# Altium PCB DAW500LCB.PcbDoc (part 3 of 3)
Units mm, origin at the board's own origin, x right, y up, seen from the top; angles counter-clockwise.
Board outline 180.09 x 194.82 mm, 2 copper layers (Top Layer, Bottom Layer); 330 components, 331 nets, 1136 pads, 143 vias.
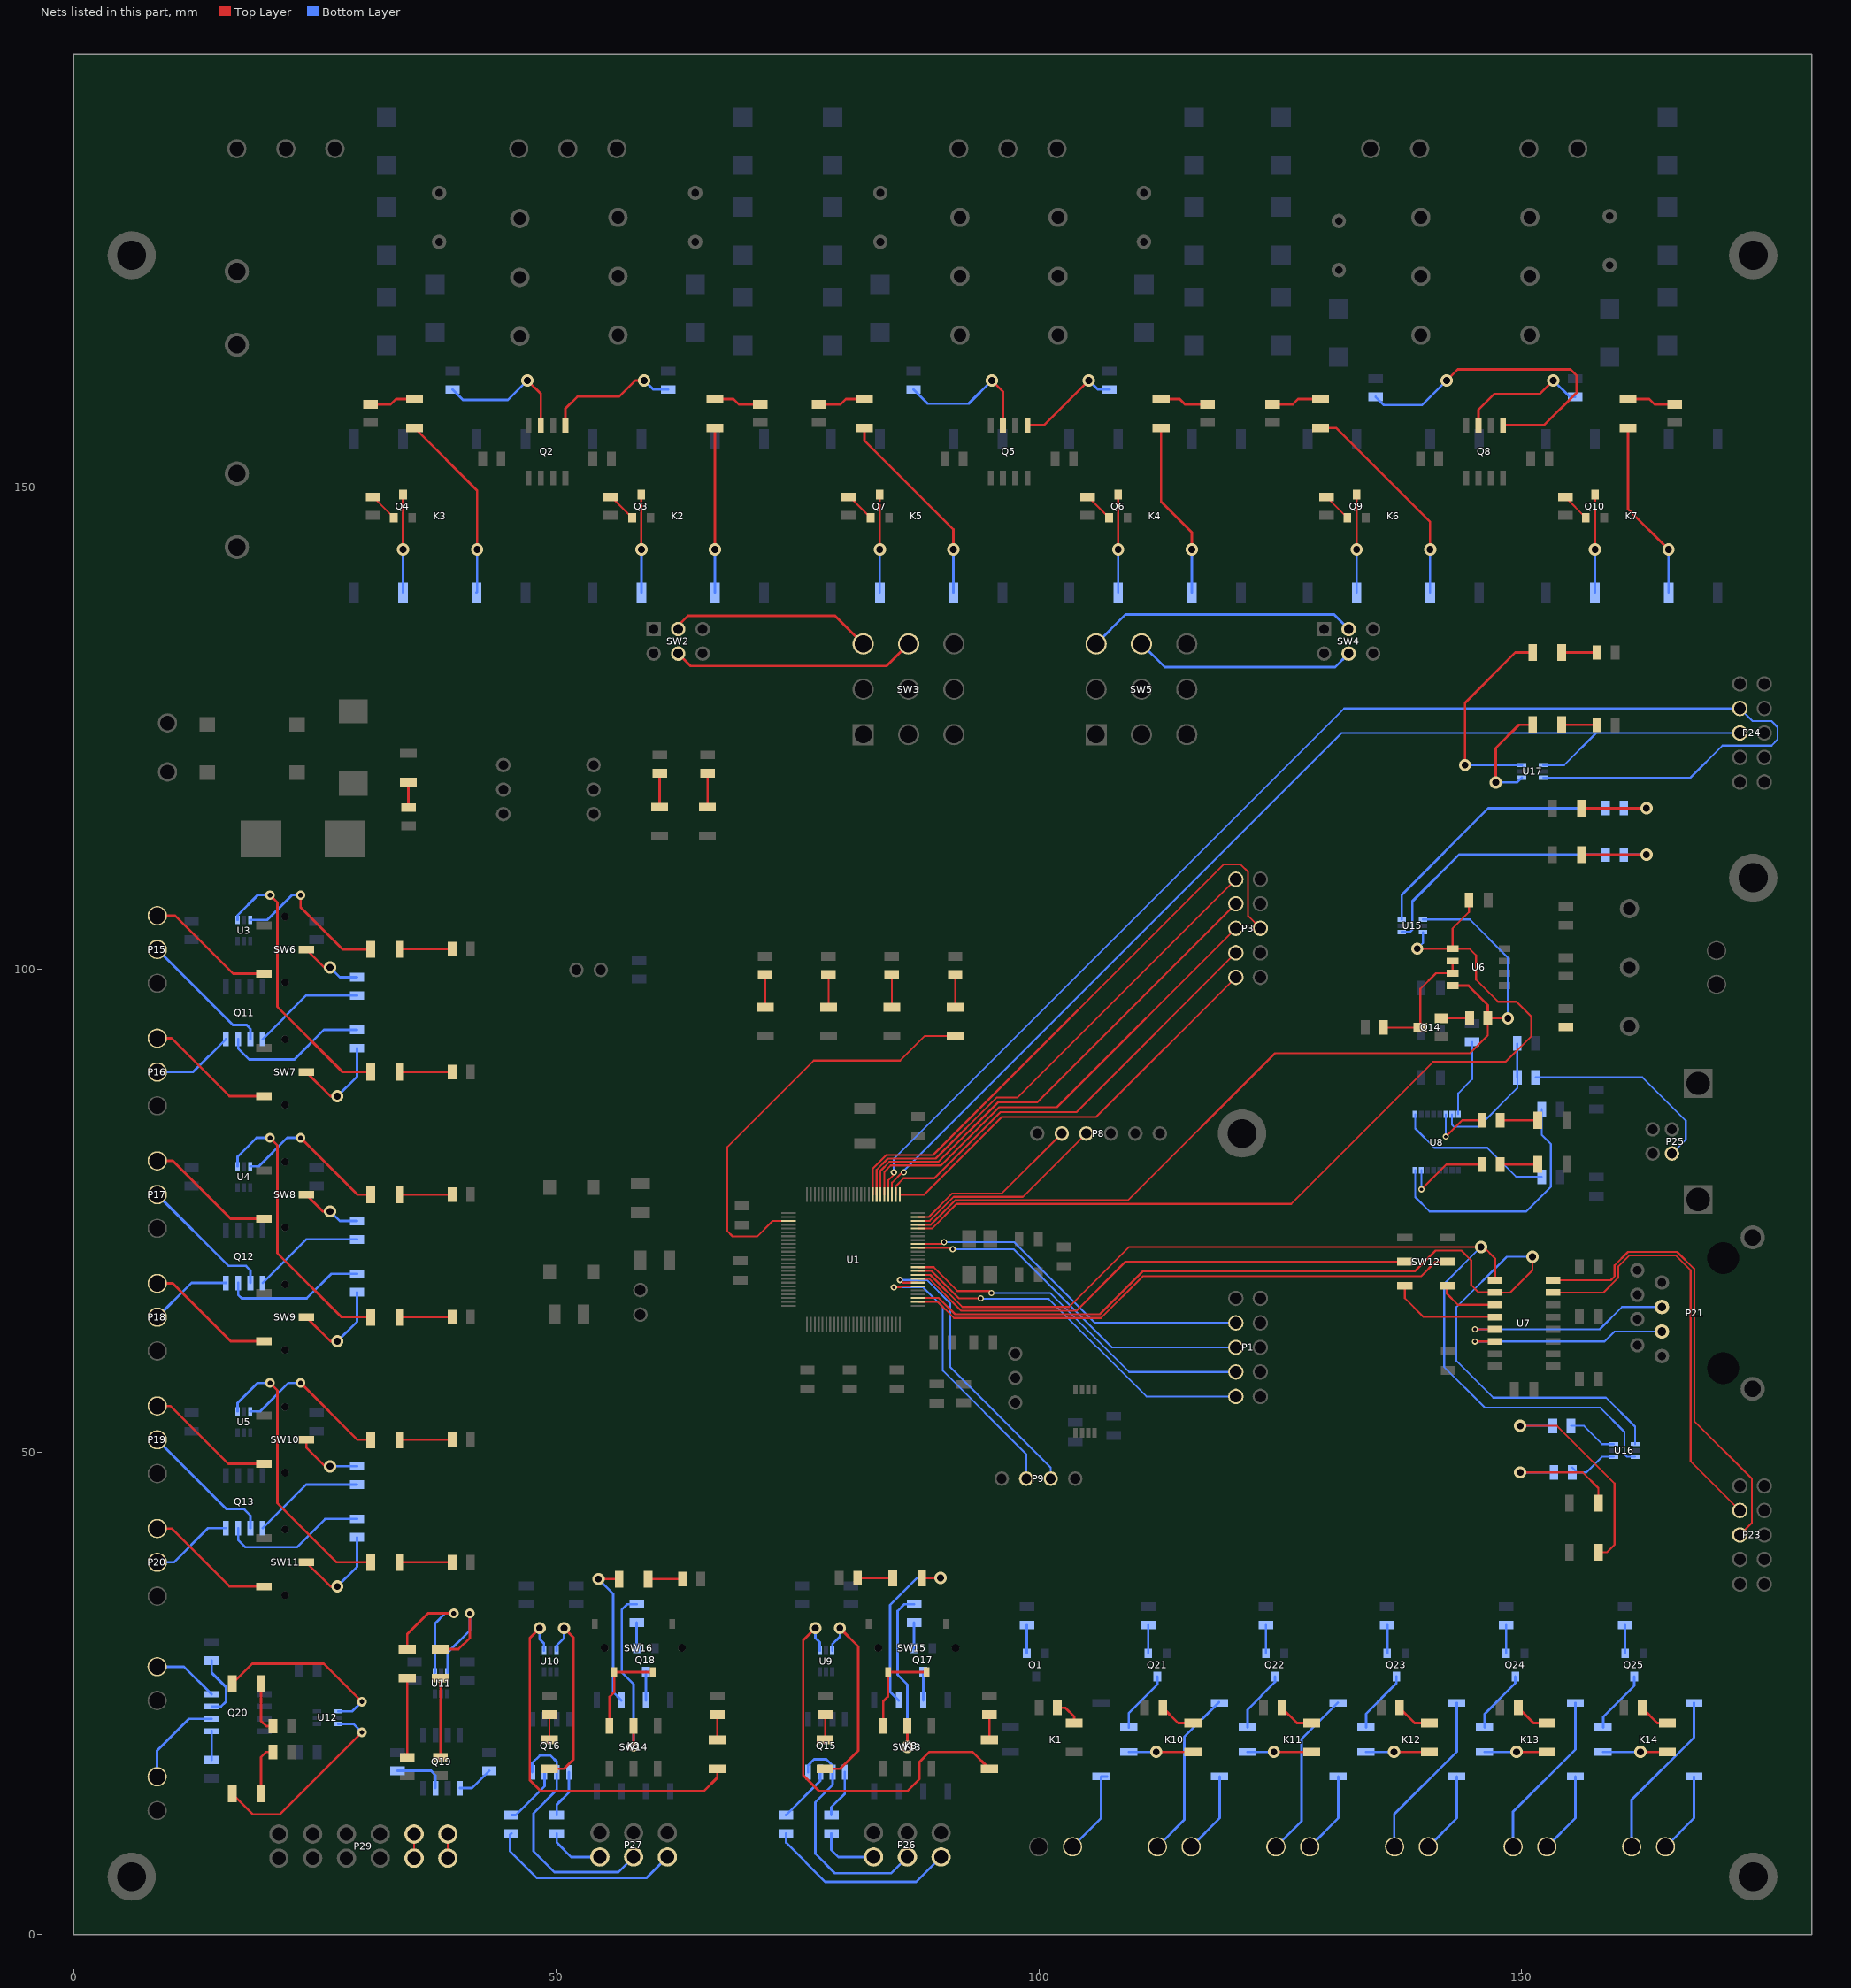
[diagram p3: the nets of this part, all layers, seen from the top]

## Via types
v1: diameter 1.27, hole 0.711, Top Layer to Bottom Layer, 78 vias
v2: diameter 0.65, hole 0.35, Top Layer to Bottom Layer, 37 vias
v3: diameter 0.7, hole 0.4, Top Layer to Bottom Layer, 11 vias
v4: diameter 1, hole 0.5, Top Layer to Bottom Layer, 11 vias
v5: diameter 0.7, hole 0.35, Top Layer to Bottom Layer, 2 vias
v6: diameter 0.9, hole 0.5, Top Layer to Bottom Layer, 1 vias
v7: diameter 1.27, hole 0.711, Top Layer to Bottom Layer, tented bottom, 1 vias
v8: diameter 0.65, hole 0.35, Top Layer to Bottom Layer, tented bottom, 1 vias
v9: diameter 0.65, hole 0.3, Top Layer to Bottom Layer, 1 vias

## Nets (pads, with @x,y where several pads share a name; then routed paths per layer and width w, separated by ;. In a path a pad name is that pad's centre, name@x,y a point inside that pad or via, vN(x,y) a via of type N, cw(c..) or ccw(c..) an arc to the next point about the centre after c; other vN are vias at no path point) (continued)
NetK1_8: K1.8 P33.1 | length 9.1
  Bottom Layer w0.254: P33.1@103.477,9.1 106.427,12.05 K1.8@106.427,16.383 K1.8@107.061,16.383
NetK2_2: K2.2 LED2.1 | length 17.1
  Top Layer w0.254: v1(66.428,143.51) LED2.1@66.428,156.107
  Bottom Layer w0.254: K2.2@66.428,139.05 v1(66.428,143.51)
NetK2_3: K2.3 Q3.1 | length 10.1
  Top Layer w0.254: v1@58.801,143.515 Q3.1@58.801,149.2
  Bottom Layer w0.254: K2.3@58.806,139.05 v1(58.806,143.51)
NetK3_2: K3.2 LED3.1 | length 19.8
  Top Layer w0.254: LED3.1@35.306,156.107 41.783,149.63 v1(41.783,143.51)
  Bottom Layer w0.254: K3.2@41.728,139.05 41.783,139.105 v1(41.783,143.51)
NetK3_3: K3.3 Q4.1 | length 10.2
  Top Layer w0.254: v1(34.106,143.51) Q4.1@34.106,149.2
  Bottom Layer w0.254: K3.3@34.106,139.05 v1(34.106,143.51)
NetK4_2: K4.2 LED4.1 | length 18.4
  Top Layer w0.254: LED4.1@112.649,156.107 112.649,148.463 115.828,145.284 v1(115.828,143.51)
  Bottom Layer w0.254: K4.2@115.828,139.05 v1(115.828,143.51)
NetK4_3: K4.3 Q6.1 | length 10.1
  Top Layer w0.254: v1@108.206,143.512 Q6.1@108.206,149.2
  Bottom Layer w0.254: K4.3@108.204,139.052 v1(108.204,143.51)
NetK5_2: K5.2 LED5.1 | length 20.9
  Top Layer w0.254: LED5.1@81.915,156.107 81.915,154.813 91.128,145.6 v1(91.128,143.51)
  Bottom Layer w0.254: K5.2@91.128,139.05 v1(91.128,143.51)
NetK5_3: K5.3 Q7.1 | length 10.2
  Top Layer w0.254: v1(83.506,143.51) Q7.1@83.506,149.2
  Bottom Layer w0.254: K5.3@83.506,139.05 v1(83.506,143.51)
NetK6_2: K6.2 LED6.1 | length 22.7
  Top Layer w0.254: LED6.1@129.159,156.107 130.786,156.107 140.528,146.365 v1(140.528,143.51)
  Bottom Layer w0.254: K6.2@140.528,139.05 v1(140.528,143.51)
NetK6_3: K6.3 Q9.1 | length 10.2
  Top Layer w0.254: v1(132.906,143.51) Q9.1@132.906,149.2
  Bottom Layer w0.254: K6.3@132.906,139.05 v1(132.906,143.51)
NetK7_2: K7.2 LED7.1 | length 18.8
  Top Layer w0.254: LED7.1@161.036,156.107 161.036,147.702 v1(165.228,143.51)
  Bottom Layer w0.254: K7.2@165.228,139.05 v1(165.228,143.51)
NetK7_3: K7.3 Q10.1 | length 10.2
  Top Layer w0.254: v1(157.606,143.51) Q10.1@157.606,149.2
  Bottom Layer w0.254: K7.3@157.606,139.05 v1(157.606,143.51)
NetK8_2: K8.2 LED23.1 | length 18.6
  Top Layer w0.254: LED23.1@87.86,36.957 v1(89.789,36.957)
  Bottom Layer w0.254: K8.2@85.473,24.259 84.582,25.15 84.582,34.163 87.376,36.957 v1(89.789,36.957)
NetK8_3: K8.3 Q17.1 | length 3
  Bottom Layer w0.254: K8.3@88.011,24.261 Q17.1@88.011,27.248
NetK9_2: K9.2 LED24.1 | length 15.7
  Top Layer w0.254: v1(54.356,36.83) LED24.1@56.5,36.83
  Bottom Layer w0.254: v1(54.356,36.83) 55.88,35.306 55.88,25.111 K9.2@56.732,24.259
NetK9_3: K9.3 Q18.1 | length 3
  Bottom Layer w0.254: K9.3@59.272,24.259 Q18.1@59.272,27.248
NetK10_2: K10.2 LED33.1 | length 6.6
  Top Layer w0.254: v1(112.141,18.923) LED33.1@115.951,18.923
  Bottom Layer w0.254: K10.2@109.313,18.923 v1(112.141,18.923)
NetK10_3: K10.3 Q21.1 | length 6.5
  Bottom Layer w0.254: K10.3@109.313,21.463 109.313,22.953 112.268,25.908 Q21.1@112.268,26.74
NetK10_5: K10.5 P34.2 | length 17.6
  Bottom Layer w0.254: P34.2@112.263,9.1 115.062,11.899 115.062,20.479 K10.5@118.65,24.066
NetK10_8: K10.8 P34.1 | length 8.5
  Bottom Layer w0.254: P34.1@115.763,9.1 118.713,12.05 K10.8@118.713,16.383
NetK11_2: K11.2 LED34.1 | length 6.7
  Top Layer w0.254: v1(124.333,18.923) LED34.1@128.27,18.923
  Bottom Layer w0.254: K11.2@121.599,18.923 v1(124.333,18.923)
NetK11_3: K11.3 Q22.1 | length 6.5
  Bottom Layer w0.254: K11.3@121.599,21.463 121.599,23.301 124.46,26.162 Q22.1@124.46,26.74
NetK11_5: K11.5 P35.2 | length 17.6
  Bottom Layer w0.254: P35.2@124.549,9.1 127.191,11.742 127.191,20.257 K11.5@130.968,24.034
NetK11_8: K11.8 P35.1 | length 8.5
  Bottom Layer w0.254: P35.1@128.049,9.1 130.999,12.05 K11.8@130.999,16.383
NetK12_2: K12.2 LED35.1 | length 6.6
  Top Layer w0.254: v1(136.779,18.923) LED35.1@140.462,18.923
  Bottom Layer w0.254: K12.2@133.886,18.923 v1(136.779,18.923)
NetK12_3: K12.3 Q23.1 | length 6.6
  Bottom Layer w0.254: K12.3@133.886,21.463 133.886,22.888 137.033,26.035 Q23.1@137.033,26.74
NetK12_5: K12.5 P36.2 | length 17.6
  Bottom Layer w0.254: P36.2@136.807,9.1 136.807,12.474 143.286,18.953 K12.5@143.286,24.003
NetK12_8: K12.8 P36.1 | length 8.5
  Bottom Layer w0.254: P36.1@140.336,9.1 143.286,12.05 K12.8@143.286,16.383
NetK13_2: K13.2 LED36.1 | length 6.5
  Top Layer w0.254: v1(149.479,18.923) LED36.1@152.654,18.923
  Bottom Layer w0.254: K13.2@146.172,18.923 v1(149.479,18.923)
NetK13_3: K13.3 Q24.1 | length 6.6
  Bottom Layer w0.254: K13.3@146.172,21.463 146.172,22.855 149.352,26.035 Q24.1@149.352,26.74
NetK13_5: K13.5 P37.2 | length 17.6
  Bottom Layer w0.254: P37.2@149.122,9.1 149.122,12.724 155.572,19.174 K13.5@155.572,24.003
NetK13_8: K13.8 P37.1 | length 8.5
  Bottom Layer w0.254: P37.1@152.622,9.1 155.572,12.05 K13.8@155.572,16.383
NetK14_2: K14.2 LED37.1 | length 6.6
  Top Layer w0.254: v1(162.306,18.923) LED37.1@165.1,18.923
  Bottom Layer w0.254: K14.2@158.458,18.923 v1(162.306,18.923)
NetK14_3: K14.3 Q25.1 | length 6.6
  Bottom Layer w0.254: K14.3@158.458,21.463 158.458,22.568 161.671,25.781 Q25.1@161.671,26.74
NetK14_5: K14.5 P38.2 | length 17.6
  Bottom Layer w0.254: P38.2@161.408,9.1 161.408,13.961 167.858,20.411 K14.5@167.858,24.003
NetK14_8: K14.8 P38.1 | length 8.5
  Bottom Layer w0.254: P38.1@164.908,9.1 167.858,12.05 K14.8@167.858,16.383
NetLED1_1: LED1.1 R1.2 | length 3.4
  Top Layer w0.2: LED1.1@71.628,96.091 R1.2@71.628,99.46
NetLED2_2: LED2.2 R2.1 | length 4.9
  Top Layer w0.254: LED2.2@66.428,159.107 68.35,159.107 68.9,158.557 R2.1@71.12,158.557
NetLED3_2: LED3.2 R8.1 | length 4.8
  Top Layer w0.254: R8.1@30.734,158.557 32.827,158.557 33.377,159.107 LED3.2@35.306,159.107
NetLED4_2: LED4.2 R10.1 | length 5.1
  Top Layer w0.254: LED4.2@112.649,159.107 114.578,159.107 115.128,158.557 R10.1@117.475,158.557
NetLED5_2: LED5.2 R16.1 | length 4.9
  Top Layer w0.254: R16.1@77.216,158.557 79.436,158.557 79.986,159.107 LED5.2@81.915,159.107
NetLED6_2: LED6.2 R18.1 | length 5.2
  Top Layer w0.254: R18.1@124.206,158.557 126.299,158.557 126.849,159.107 LED6.2@129.159,159.107
NetLED7_2: LED7.2 R24.1 | length 5.1
  Top Layer w0.254: LED7.2@161.036,159.107 163.219,159.107 163.769,158.557 R24.1@165.862,158.557
NetLED8_1: LED8.1 R26.2 | length 3.4
  Top Layer w0.2: LED8.1@78.19,96.091 R26.2@78.19,99.46
NetLED9_1: LED9.1 R27.2 | length 3.4
  Top Layer w0.2: LED9.1@84.751,96.091 R27.2@84.751,99.46
NetLED10_1: LED10.1 R28.2 | length 3.4
  Top Layer w0.2: LED10.1@91.313,96.091 R28.2@91.313,99.46
NetLED11_1: LED11.1 R34.2 | length 5.4
  Top Layer w0.254: LED11.1@33.826,102.124 R34.2@39.194,102.124
NetLED11_2: LED11.2 U3.6 | length 16.6
  Top Layer w0.254: v4(23.495,107.696) 23.495,106.426 27.853,102.068 LED11.2@30.77,102.068
  Bottom Layer w0.254: U3.6@18.275,105.129 20.039,105.129 22.606,107.696 v4(23.495,107.696)
NetLED12_1: LED12.1 R35.2 | length 5.4
  Top Layer w0.254: LED12.1@33.77,89.368 R35.2@39.194,89.368
NetLED12_2: LED12.2 U3.4 | length 29.1
  Top Layer w0.254: v4(20.32,107.696) 21.082,106.934 21.082,96.139 27.853,89.368 LED12.2@30.77,89.368
  Bottom Layer w0.254: U3.4@16.975,105.129 16.975,105.621 19.05,107.696 v4(20.32,107.696)
NetLED13_1: LED13.1 R40.2 | length 5.4
  Top Layer w0.254: LED13.1@33.77,76.668 R40.2@39.194,76.668
NetLED13_2: LED13.2 U4.6 | length 16.2
  Top Layer w0.254: v4(23.495,82.55) 29.377,76.668 LED13.2@30.77,76.668
  Bottom Layer w0.254: U4.6@18.275,79.602 19.15,79.602 22.098,82.55 v4(23.495,82.55)
NetLED14_1: LED14.1 R41.2 | length 5.4
  Top Layer w0.254: LED14.1@33.77,63.968 R41.2@39.194,63.968
NetLED14_2: LED14.2 U4.4 | length 29.8
  Top Layer w0.254: v4(20.32,82.55) 21.082,81.788 21.082,70.612 27.726,63.968 LED14.2@30.77,63.968
  Bottom Layer w0.254: U4.4@16.975,79.602 16.975,80.602 18.923,82.55 v4(20.32,82.55)
NetLED15_1: LED15.1 R46.2 | length 5.4
  Top Layer w0.254: LED15.1@33.77,51.268 R46.2@39.194,51.268
NetLED15_2: LED15.2 U5.6 | length 16.2
  Top Layer w0.254: v4(23.495,57.15) 29.377,51.268 LED15.2@30.77,51.268
  Bottom Layer w0.254: U5.6@18.275,54.202 19.277,54.202 22.225,57.15 v4(23.495,57.15)
NetLED16_1: LED16.1 R47.2 | length 5.4
  Top Layer w0.254: LED16.1@33.77,38.568 R47.2@39.194,38.568
NetLED16_2: LED16.2 U5.4 | length 30.1
  Top Layer w0.254: v4(20.32,57.15) 21.082,56.388 21.082,44.704 27.218,38.568 LED16.2@30.77,38.568
  Bottom Layer w0.254: U5.4@16.975,54.202 16.975,55.075 19.05,57.15 v4(20.32,57.15)
NetLED17_1: LED17.1 R58.2 | length 3.9
  Top Layer w0.2: R58.2@147.776,79.793 LED17.1@151.676,79.793
NetLED18_1: LED18.1 R59.2 | length 3.9
  Top Layer w0.2: R59.2@147.776,84.365 LED18.1@151.676,84.365
NetLED19_1: LED19.1 R63.1 | length 2.6
  Top Layer w0.254: LED19.1@77.851,20.169 R63.1@77.851,22.799
NetLED19_2: LED19.2 U9.6 | length 20.4
  Top Layer w0.254: LED19.2@77.851,17.169 79.399,17.169 81.28,19.05 81.28,29.845 v1(79.375,31.75)
  Bottom Layer w0.254: U9.6@78.588,29.421 78.588,30.074 79.375,30.861 v1(79.375,31.75)
NetLED20_1: LED20.1 R66.1 | length 2.6
  Top Layer w0.254: LED20.1@94.869,20.169 R66.1@94.869,22.799
NetLED20_2: LED20.2 U9.4 | length 41.7
  Top Layer w0.254: v1(76.835,31.75) 75.565,30.48 75.565,16.51 77.216,14.859 86.36,14.859 87.63,16.129 87.63,17.907 88.646,18.923 93.115,18.923 LED20.2@94.869,17.169
  Bottom Layer w0.254: v1(76.835,31.75) 76.835,30.734 77.288,30.281 U9.4@77.288,29.421
NetLED21_1: LED21.1 R69.1 | length 2.6
  Top Layer w0.2: LED21.1@49.276,20.169 R69.1@49.276,22.799
NetLED21_2: LED21.2 U10.6 | length 19.6
  Top Layer w0.254: LED21.2@49.276,17.169 50.785,17.169 51.777,18.161 51.777,30.773 v1(50.8,31.75)
  Bottom Layer w0.254: U10.6@50.013,29.421 50.013,29.947 50.8,30.734 v1(50.8,31.75)
NetLED22_1: LED22.1 R72.1 | length 2.6
  Top Layer w0.2: LED22.1@66.675,20.169 R72.1@66.675,22.799
NetLED22_2: LED22.2 U10.4 | length 40.1
  Top Layer w0.254: v1(48.26,31.75) 47.244,30.734 47.244,16.002 48.387,14.859 65.278,14.859 66.675,16.256 LED22.2@66.675,17.169
  Bottom Layer w0.254: v1(48.26,31.75) 48.26,30.607 48.713,30.154 U10.4@48.713,29.421
NetLED23_2: LED23.2 R73.1 | length 3.6
  Top Layer w0.254: R73.1@81.214,36.957 LED23.2@84.86,36.957
NetLED24_2: LED24.2 R74.1 | length 3.6
  Top Layer w0.254: LED24.2@59.5,36.83 R74.1@63.058,36.83
NetLED25_1: LED25.1 R80.2 | length 8.2
  Top Layer w0.254: R80.2@37.973,18.349 LED25.1@37.973,26.567
NetLED25_2: LED25.2 U11.6 | length 13.2
  Top Layer w0.254: LED25.2@37.973,29.567 39.854,29.567 41.021,30.734 v4(41.021,33.274)
  Bottom Layer w0.254: U11.6@38.71,27.135 38.71,29.185 41.021,31.496 v4(41.021,33.274)
NetLED26_1: LED26.1 R81.2 | length 8.2
  Top Layer w0.254: R81.2@34.544,18.349 LED26.1@34.544,26.567
NetLED26_2: LED26.2 U11.4 | length 14.7
  Top Layer w0.254: LED26.2@34.544,29.567 34.544,31.115 36.703,33.274 v4(39.37,33.274)
  Bottom Layer w0.254: U11.4@37.41,27.135 37.41,32.203 38.481,33.274 v4(39.37,33.274)
NetLED27_1: LED27.1 R87.1 | length 5.2
  Top Layer w0.254: LED27.1@19.407,14.6 19.407,18.391 19.939,18.923 R87.1@20.64,18.923
NetLED27_2: LED27.2 U12.6 | length 20.7
  Top Layer w0.254: LED27.2@16.407,14.6 18.561,12.446 21.336,12.446 v4(29.845,20.955)
  Bottom Layer w0.254: U12.6@27.389,21.829 28.971,21.829 v4(29.845,20.955)
NetLED28_1: LED28.1 R88.1 | length 5.3
  Top Layer w0.254: LED28.1@19.407,26 19.407,22.122 19.939,21.59 R88.1@20.64,21.59
NetLED28_2: LED28.2 U12.4 | length 18.8
  Top Layer w0.254: LED28.2@16.407,26 18.474,28.067 25.908,28.067 v4(29.845,24.13)
  Bottom Layer w0.254: U12.4@27.389,23.129 28.844,23.129 v4(29.845,24.13)
NetLED29_2: LED29.2 R89.1 | length 3.5
  Top Layer w0.254: LED29.2@60.706,116.816 R89.1@60.706,120.335
NetLED30_2: LED30.2 R90.1 | length 2.6
  Top Layer w0.254: R90.1@34.671,116.774 LED30.2@34.671,119.404
NetLED31_2: LED31.2 R91.1 | length 3.5
  Top Layer w0.254: LED31.2@65.659,116.816 R91.1@65.659,120.335
NetLED32_2: LED32.2 R92.1 | length 2.8
  Top Layer w0.254: R92.1@101.915,23.495 102.743,23.495 103.632,22.606 LED32.2@103.632,21.923
NetLED33_2: LED33.2 R93.1 | length 3.8
  Top Layer w0.254: R93.1@112.837,23.495 114.409,21.923 LED33.2@115.951,21.923
NetLED34_2: LED34.2 R96.1 | length 3.8
  Top Layer w0.254: R96.1@125.156,23.495 126.728,21.923 LED34.2@128.27,21.923
NetLED35_2: LED35.2 R97.1 | length 3.8
  Top Layer w0.254: R97.1@137.348,23.495 138.92,21.923 LED35.2@140.462,21.923
NetLED36_2: LED36.2 R100.1 | length 3.6
  Top Layer w0.254: R100.1@149.667,23.495 151.239,21.923 LED36.2@152.654,21.923
NetLED37_2: LED37.2 R101.1 | length 3.3
  Top Layer w0.254: R101.1@162.494,23.495 164.066,21.923 LED37.2@165.1,21.923
NetLED38_2: LED38.2 R115.2 | length 9.1
  Top Layer w0.254: LED38.2@156.186,111.887 v1(162.941,111.887)
  Bottom Layer w0.254: R115.2@160.589,111.887 v1(162.941,111.887)
NetLED39_2: LED39.2 R116.2 | length 9.1
  Top Layer w0.254: LED39.2@156.186,116.713 v1(162.941,116.713)
  Bottom Layer w0.254: R116.2@160.589,116.713 v1(162.941,116.713)
NetLED40_2: LED40.2 R118.1 | length 13.8
  Top Layer w0.2: v1(149.86,47.879) 156.337,47.879 157.964,46.252 LED40.2@157.964,44.704
  Bottom Layer w0.2: v1(149.86,47.879) R118.1@153.355,47.879
NetLED41_2: LED41.2 R119.1 | length 24
  Top Layer w0.2: v1(149.86,52.705) 153.67,52.705 159.639,46.736 159.639,40.386 158.877,39.624 LED41.2@157.964,39.624
  Bottom Layer w0.2: v1(149.86,52.705) R119.1@153.228,52.705
NetLED42_1: LED42.1 R117.1 | length 3.6
  Top Layer w0.254: LED42.1@154.154,125.349 R117.1@157.8,125.349
NetLED42_2: LED42.2 U17.4 | length 11.3
  Top Layer w0.254: v1(147.32,119.38) 147.32,122.936 149.733,125.349 LED42.2@151.154,125.349
  Bottom Layer w0.254: v1(147.32,119.38) 149.537,119.38 U17.4@150.03,119.873
NetLED43_1: LED43.1 R120.2 | length 3.6
  Top Layer w0.254: LED43.1@154.154,132.842 R120.2@157.8,132.842
NetLED43_2: LED43.2 U17.6 | length 21.5
  Top Layer w0.254: v1(144.145,121.173) 144.145,127.635 149.352,132.842 LED43.2@151.154,132.842
  Bottom Layer w0.254: v1(144.145,121.173) U17.6@150.03,121.173
NetP9_2: P9.2 U1.57 | length 30.7
  Top Layer w0.2: v2(85.598,67.818) 85.863,67.553 U1.57@87.472,67.553
  Bottom Layer w0.2: v2(85.598,67.818) 88.392,67.818 90.805,65.405 90.805,58.801 101.219,48.387 P9.2@101.219,47.244
NetP9_3: P9.3 U1.56 | length 29.8
  Top Layer w0.2: v2(84.963,67.056) 85.725,67.056 85.822,67.153 U1.56@87.472,67.153
  Bottom Layer w0.2: v2(84.963,67.056) 88.011,67.056 90.043,65.024 90.043,58.42 98.679,49.784 P9.3@98.679,47.244
NetP15_2: P15.2 Q11.2 | length 14.1
  Bottom Layer w0.254: P15.2@8.648,102.068 16.482,94.234 17.907,94.234 18.3,93.841 Q11.2@18.3,92.787
NetP15_3: P15.3 SW6.3 | length 13.5
  Top Layer w0.254: P15.3@8.648,105.568 10.51,105.568 16.51,99.568 SW6.3@19.685,99.568
NetP16_2: P16.2 Q11.4 | length 8.5
  Bottom Layer w0.254: P16.2@8.648,89.368 12.341,89.368 Q11.4@15.76,92.787
NetP16_3: P16.3 SW7.3 | length 13.5
  Top Layer w0.254: P16.3@8.648,92.868 10.129,92.868 16.129,86.868 SW7.3@19.685,86.868
NetP17_2: P17.2 Q12.2 | length 14.2
  Bottom Layer w0.254: P17.2@8.648,76.668 16.037,69.278 17.843,69.278 18.3,68.822 Q12.2@18.3,67.514
NetP17_3: P17.3 SW8.3 | length 13.5
  Top Layer w0.254: P17.3@8.648,80.168 10.256,80.168 16.256,74.168 SW8.3@19.685,74.168
NetP18_2: P18.2 Q12.4 | length 8.6
  Bottom Layer w0.254: P18.2@8.648,63.968 12.195,67.514 Q12.4@15.76,67.514
NetP18_3: P18.3 SW9.3 | length 13.5
  Top Layer w0.254: P18.3@8.648,67.468 10.256,67.468 16.256,61.468 SW9.3@19.685,61.468
NetP19_2: P19.2 Q13.2 | length 14.2
  Bottom Layer w0.254: P19.2@8.648,51.268 15.847,44.069 17.653,44.069 18.3,43.422 Q13.2@18.3,42.114
NetP19_3: P19.3 SW10.3 | length 13.5
  Top Layer w0.254: P19.3@8.648,54.768 10.002,54.768 16.002,48.768 SW10.3@19.685,48.768
NetP20_2: P20.2 Q13.4 | length 8.6
  Bottom Layer w0.254: P20.2@8.648,38.568 10.374,38.568 13.92,42.114 Q13.4@15.76,42.114
NetP20_3: P20.3 SW11.3 | length 13.5
  Top Layer w0.254: P20.3@8.648,42.068 10.129,42.068 16.129,36.068 SW11.3@19.685,36.068
NetP21_3: P21.3 U7.14 | length 21.9
  Top Layer w0.2: v2(145.161,61.444) U7.14@147.255,61.444
  Bottom Layer w0.2: v2(145.161,61.444) 158.599,61.444 159.639,62.484 P21.3@164.535,62.484
NetP21_5: P21.5 U7.13 | length 22.4
  Top Layer w0.2: v2(145.161,62.714) U7.13@147.255,62.714
  Bottom Layer w0.2: v2(145.161,62.714) 158.091,62.714 160.401,65.024 P21.5@164.535,65.024
NetP23_3: P23.3 U7.7 | length 44.2
  Top Layer w0.2: U7.7@153.255,66.524 158.473,66.524 159.999,68.05 159.999,69.193 161.185,70.379 165.968,70.379 167.513,68.834 167.513,49.038 P23.3@172.609,43.942
NetP23_5: P23.5 U7.8 | length 47.8
  Top Layer w0.2: U7.8@153.255,67.794 159.234,67.794 159.639,68.199 159.639,69.342 161.036,70.739 166.117,70.739 167.894,68.962 167.894,53.213 173.863,47.244 173.863,42.656 P23.5@172.609,41.402
NetP25_1: P25.1 R55.2 | length 21.4
  Bottom Layer w0.2: R55.2@151.459,88.81 162.523,88.81 167.005,84.328 167.005,82.359 P25.1@165.581,80.935
NetP26_1: P26.1 R64.2 | length 6.4
  Bottom Layer w0.254: R64.2@78.486,10.48 78.486,8.763 79.208,8.041 P26.1@82.86,8.041
NetP26_3: P26.3 Q15.2 Q15.4 | length 24.7
  Bottom Layer w0.254: Q15.4@76.073,16.827 76.073,17.526 76.708,18.161 77.978,18.161 78.613,17.526 Q15.2@78.613,16.827 78.613,15.494 76.835,13.716 76.835,8.382 78.867,6.35 84.669,6.35 P26.3@86.36,8.041
NetP26_5: P26.5 R65.2 | length 19.8
  Bottom Layer w0.254: R65.2@73.787,10.48 73.787,9.525 77.851,5.461 87.28,5.461 P26.5@89.86,8.041
NetP27_1: P27.1 R70.2 | length 6
  Bottom Layer w0.254: R70.2@50.038,10.48 50.038,9.525 51.522,8.041 P27.1@54.5,8.041
NetP27_3: P27.3 Q16.2 Q16.4 | length 26.3
  Bottom Layer w0.254: Q16.4@47.498,16.826 47.498,17.78 48.26,18.542 49.403,18.542 50.038,17.907 Q16.2@50.038,16.826 50.038,14.986 47.625,12.573 47.625,8.636 49.784,6.477 56.436,6.477 P27.3@58,8.041
NetP27_5: P27.5 R71.2 | length 20.3
  Bottom Layer w0.254: R71.2@45.339,10.48 45.212,10.353 45.212,8.636 48.006,5.842 59.301,5.842 P27.5@61.5,8.041
NetP30_2: P30.2 Q20.2 | length 9.7
  Bottom Layer w0.254: P30.2@8.636,16.35 8.636,19.05 11.938,22.352 Q20.2@14.286,22.352
NetP31_2: P31.2 Q20.4 | length 6.8
  Bottom Layer w0.254: P31.2@8.636,27.75 11.428,27.75 Q20.4@14.286,24.892
NetQ1_3: Q1.3 R94.2 | length 2.9
  Bottom Layer w0.254: Q1.3@98.745,29.14 R94.2@98.745,32.07
NetQ2_1: Q2.1 R6.2 | length 14
  Top Layer w0.254: Q2.1@50.927,156.402 50.927,158.115 52.197,159.385 56.515,159.385 58.166,161.036 v1(59.095,161.036)
  Bottom Layer w0.254: v1(59.095,161.036) 60.045,160.086 R6.2@61.595,160.086
NetQ2_3: Q2.3 R7.2 | length 14.2
  Top Layer w0.254: v1(46.99,161.036) 48.387,159.639 Q2.3@48.387,156.402
  Bottom Layer w0.254: R7.2@39.243,160.086 40.325,159.004 44.958,159.004 v1(46.99,161.036)
NetQ3_3: Q3.3 R4.1 | length 3.1
  Top Layer w0.2: R4.1@55.626,148.95 55.701,148.95 Q3.3@57.851,146.8
NetQ4_3: Q4.3 R9.1 | length 3.1
  Top Layer w0.2: R9.1@30.988,148.95 31.006,148.95 Q4.3@33.156,146.8
NetQ5_1: Q5.1 R14.2 | length 10.8
  Top Layer w0.254: Q5.1@98.806,156.402 100.522,156.402 v1(105.156,161.036)
  Bottom Layer w0.254: v1(105.156,161.036) 106.106,160.086 R14.2@107.299,160.086
NetQ5_3: Q5.3 R15.2 | length 14.8
  Top Layer w0.254: v1(95.123,161.036) 96.266,159.893 Q5.3@96.266,156.402
  Bottom Layer w0.254: R15.2@87,160.086 88.463,158.623 92.71,158.623 v1(95.123,161.036)
NetQ6_3: Q6.3 R12.1 | length 3.1
  Top Layer w0.2: R12.1@105.029,148.95 105.106,148.95 Q6.3@107.256,146.8
NetQ7_3: Q7.3 R17.1 | length 3.2
  Top Layer w0.2: R17.1@80.264,148.95 80.406,148.95 Q7.3@82.556,146.8
NetQ8_1: Q8.1 R22.2 | length 33.8
  Top Layer w0.254: v1(142.24,161.036) 143.383,162.179 155.067,162.179 155.702,161.544 155.702,159.766 152.338,156.402 Q8.1@148.082,156.402
  Bottom Layer w0.254: R22.2@134.874,159.324 135.702,158.496 139.7,158.496 v1(142.24,161.036)
NetQ8_3: Q8.3 R23.2 | length 13.6
  Top Layer w0.254: Q8.3@145.542,156.402 145.542,157.988 147.193,159.639 151.892,159.639 v1(153.289,161.036)
  Bottom Layer w0.254: v1(153.289,161.036) 155.001,159.324 R23.2@155.559,159.324
NetQ9_3: Q9.3 R20.1 | length 3.5
  Top Layer w0.2: R20.1@129.794,148.95 R20.1@129.806,148.95 ; R20.1@130.281,148.95 R20.1@129.806,148.95 ; Q9.3@131.956,146.8 R20.1@129.806,148.95
NetQ10_3: Q10.3 R25.1 | length 3
  Top Layer w0.2: R25.1@154.559,148.95 154.559,148.897 Q10.3@156.656,146.8
NetQ11_1: Q11.1 R31.1 | length 11.6
  Bottom Layer w0.254: Q11.1@19.57,92.787 24.085,97.302 R31.1@29.337,97.302
NetQ11_3: Q11.3 R36.1 | length 15
  Bottom Layer w0.254: Q11.3@17.03,92.787 17.03,91.809 18.161,90.678 22.86,90.678 25.919,93.737 R36.1@29.337,93.737
NetQ12_1: Q12.1 R37.1 | length 11.6
  Bottom Layer w0.254: Q12.1@19.57,67.514 24.084,72.029 R37.1@29.337,72.029
NetQ12_3: Q12.3 R42.1 | length 14.7
  Bottom Layer w0.254: Q12.3@17.03,67.514 17.03,66.282 17.399,65.913 24.13,65.913 26.681,68.464 R42.1@29.337,68.464
NetQ13_1: Q13.1 R43.1 | length 11.6
  Bottom Layer w0.254: Q13.1@19.57,42.114 24.085,46.629 R43.1@29.337,46.629
NetQ13_3: Q13.3 R48.1 | length 15.1
  Bottom Layer w0.254: Q13.3@17.03,42.114 17.03,40.882 17.78,40.132 23.114,40.132 26.046,43.064 R48.1@29.337,43.064
NetQ14_2: Q14.2 R51.2 | length 2.9
  Top Layer w0.2: Q14.2@141.705,94.93 R51.2@144.608,94.93
NetQ14_3: Q14.3 R53.2 U6.2 U6.3 | length 13.1
  Top Layer w0.2: R53.2@135.713,93.98 Q14.3@139.505,93.98 139.505,97.976 141.134,99.605 U6.3@142.858,99.605 U6.2@142.858,100.885
NetQ15_1: Q15.1 R64.1 | length 5
  Bottom Layer w0.254: R64.1@78.486,12.38 78.486,13.208 79.883,14.605 Q15.1@79.883,16.827
NetQ15_3: Q15.3 R65.1 | length 5.9
  Bottom Layer w0.254: R65.1@73.787,12.38 77.343,15.936 Q15.3@77.343,16.827
NetQ16_1: Q16.1 R70.1 | length 5
  Bottom Layer w0.254: R70.1@50.038,12.38 50.038,13.462 51.308,14.732 Q16.1@51.308,16.826
NetQ16_3: Q16.3 R71.1 | length 6.1
  Bottom Layer w0.254: R71.1@45.339,12.38 45.781,12.38 48.768,15.367 Q16.3@48.768,16.826
NetQ17_3: Q17.3 R75.2 | length 2.7
  Bottom Layer w0.254: Q17.3@87.061,29.648 R75.2@87.061,32.324
NetQ18_3: Q18.3 R76.2 | length 2.7
  Bottom Layer w0.254: Q18.3@58.322,29.648 R76.2@58.322,32.324
NetQ19_1: Q19.1 R79.1 | length 3.8
  Bottom Layer w0.254: Q19.1@40.005,15.175 41.271,15.175 R79.1@43.053,16.957
NetQ19_3: Q19.3 R82.1 | length 5.5
  Bottom Layer w0.254: R82.1@33.528,16.957 37.018,16.957 37.465,16.51 Q19.3@37.465,15.175
NetQ20_1: Q20.1 R84.1 | length 3
  Bottom Layer w0.254: R84.1@14.286,18.095 Q20.1@14.286,21.082
NetQ20_3: Q20.3 R83.1 | length 6.5
  Bottom Layer w0.254: Q20.3@14.286,23.622 15.24,23.622 15.748,24.13 15.748,25.654 14.286,27.116 R83.1@14.286,28.387
NetQ21_3: Q21.3 R95.2 | length 2.9
  Bottom Layer w0.254: Q21.3@111.318,29.14 R95.2@111.318,32.07
NetQ22_3: Q22.3 R98.2 | length 2.9
  Bottom Layer w0.254: Q22.3@123.51,29.14 R98.2@123.51,32.07
NetQ23_3: Q23.3 R99.2 | length 2.9
  Bottom Layer w0.254: Q23.3@136.083,29.14 R99.2@136.083,32.07
NetQ24_3: Q24.3 R102.2 | length 2.9
  Bottom Layer w0.254: Q24.3@148.402,29.14 R102.2@148.402,32.07
NetQ25_3: Q25.3 R103.2 | length 2.9
  Bottom Layer w0.254: Q25.3@160.721,29.14 R103.2@160.721,32.07
NetR31_2: R31.2 SW6.2 | length 6.4
  Top Layer w0.254: SW6.2@24.085,102.068 25.95,100.203 v1(26.543,100.203)
  Bottom Layer w0.254: v1(26.543,100.203) 27.544,99.202 R31.2@29.337,99.202
NetR36_2: R36.2 SW7.2 | length 10.1
  Top Layer w0.254: SW7.2@24.085,89.368 26.585,86.868 v1(27.305,86.868)
  Bottom Layer w0.254: v1(27.305,86.868) 29.337,88.9 R36.2@29.337,91.837
NetR37_2: R37.2 SW8.2 | length 6.4
  Top Layer w0.254: SW8.2@24.085,76.668 25.823,74.93 v1(26.543,74.93)
  Bottom Layer w0.254: v1(26.543,74.93) 27.544,73.929 R37.2@29.337,73.929
NetR42_2: R42.2 SW9.2 | length 10.2
  Top Layer w0.254: SW9.2@24.085,63.968 26.585,61.468 v1(27.305,61.468)
  Bottom Layer w0.254: v1(27.305,61.468) 29.337,63.5 R42.2@29.337,66.564
NetR43_2: R43.2 SW10.2 | length 6.8
  Top Layer w0.254: SW10.2@24.085,51.268 24.085,50.464 26.035,48.514 v1(26.543,48.514)
  Bottom Layer w0.254: v1@26.558,48.529 R43.2@29.337,48.529
NetR48_2: R48.2 SW11.2 | length 10.2
  Top Layer w0.254: SW11.2@24.085,38.568 26.585,36.068 v1(27.305,36.068)
  Bottom Layer w0.254: v1(27.305,36.068) 29.337,38.1 R48.2@29.337,41.164
NetR56_2: R56.2 U8.9 | length 16.7
  Bottom Layer w0.2: U8.9@138.978,84.995 138.978,83.526 140.97,81.534 146.431,81.534 149.458,78.507 R56.2@152.099,78.507
NetR57_2: R57.2 U8.8 | length 26.9
  Bottom Layer w0.2: U8.8@138.978,79.195 138.978,76.414 140.462,74.93 150.495,74.93 153.035,77.47 153.035,81.915 152.099,82.851 R57.2@152.099,85.524
NetR58_1: R58.1 U8.7 | length 9.3
  Top Layer w0.2: v2(139.618,77.216) 142.195,79.793 R58.1@145.876,79.793
  Bottom Layer w0.2: v2(139.618,77.216) U8.7@139.618,79.195
NetR59_1: R59.1 U8.14 | length 6.7
  Top Layer w0.2: v2(142.148,82.677) 143.836,84.365 R59.1@145.876,84.365
  Bottom Layer w0.2: v2(142.148,82.677) U8.14@142.148,84.995
NetR60_2: R60.2 U8.16 | length 8.1
  Bottom Layer w0.2: U8.16@143.438,84.995 143.438,87.177 144.881,88.62 R60.2@144.881,92.495
NetR75_1: R75.1 SW13.2 | length 18.7
  Top Layer w0.254: v1(86.36,19.431) SW13.2@86.36,21.631
  Bottom Layer w0.254: v1(86.36,19.431) 86.36,25.908 85.344,26.924 85.344,33.528 86.04,34.224 R75.1@87.061,34.224
NetR76_1: R76.1 SW14.2 | length 18.7
  Top Layer w0.254: v4(58,19.431) SW14.2@58,21.631
  Bottom Layer w0.254: v4(58,19.431) 58,25.947 56.769,27.178 56.769,33.655 57.338,34.224 R76.1@58.322,34.224
NetR115_1: R115.1 U15.4 | length 26.1
  Bottom Layer w0.254: U15.4@137.584,103.871 138.415,103.871 138.684,104.14 138.684,107.061 143.51,111.887 R115.1@158.689,111.887
NetR116_1: R116.1 U15.6 | length 27.4
  Bottom Layer w0.254: U15.6@137.584,105.171 137.584,107.739 146.558,116.713 R116.1@158.689,116.713
NetR118_2: R118.2 U16.4 | length 5.5
  Bottom Layer w0.2: R118.2@155.255,47.879 156.718,47.879 158.354,49.515 U16.4@159.555,49.515 ; R118.2@155.255,48.387 R118.2@155.636,48.006
NetR119_2: R119.2 U16.6 | length 5.2
  Bottom Layer w0.2: R119.2@155.128,52.705 156.464,52.705 158.354,50.815 U16.6@159.555,50.815
NetSW2_2: SW2.2 SW3.3 | length 21.2
  Top Layer w0.254: SW2.2@62.617,135.27 62.617,135.642 63.627,136.652 78.867,136.652 SW3.3@81.787,133.732
NetSW2_5: SW2.5 SW3.6 | length 25.3
  Top Layer w0.254: SW2.5@62.617,132.73 63.902,131.445 84.2,131.445 SW3.6@86.487,133.732
NetSW4_2: SW4.2 SW5.3 | length 28.1
  Bottom Layer w0.254: SW5.3@105.917,133.732 108.964,136.779 130.571,136.779 SW4.2@132.08,135.27
NetSW4_5: SW4.5 SW5.6 | length 23
  Bottom Layer w0.254: SW5.6@110.617,133.732 113.031,131.318 130.668,131.318 SW4.5@132.08,132.73
NetSW13_3: SW13.3 SW15.2 SW15.3 | length 9.8
  Top Layer w0.254: SW13.3@83.86,21.631 83.86,24.17 84.36,24.67 SW15.2@84.36,27.2 SW15.3@88.36,27.2
NetSW14_3: SW14.3 SW16.2 SW16.3 | length 9.8
  Top Layer w0.254: SW14.3@55.5,21.631 55.5,24.639 56,25.139 SW16.2@56,27.2 SW16.3@60,27.2
PGEC2: P8.5 U1.74 | length 18.5
  Top Layer w0.2: U1.74@87.472,74.353 88.575,74.353 91.015,76.793 96.155,76.793 P8.5@102.362,83
PGED2: P8.4 U1.73 | length 21.2
  Top Layer w0.2: U1.73@87.472,73.953 88.684,73.953 91.164,76.433 98.335,76.433 P8.4@104.902,83
PINK: P29.11 P29.12 | length 2.5
  Top Layer w0.2: P29.11@38.75,7.914 P29.12@38.75,10.414
RS232_RX1: SW12.1 U7.11 | length 6.2
  Top Layer w0.2: SW12.1@142.24,67.166 142.24,66.421 143.407,65.254 U7.11@147.255,65.254
RS232_TX1: SW12.4 U7.12 | length 11.5
  Top Layer w0.2: SW12.4@137.897,67.223 137.897,65.938 139.851,63.984 U7.12@147.255,63.984
SD_AXLE: P1.7 U1.61 | length 37.6
  Top Layer w0.2: U1.61@87.472,69.153 89.089,69.153 91.567,66.675 94.869,66.675 v2(95.085,66.46)
  Bottom Layer w0.2: v2(95.085,66.46) 101.18,66.46 109.347,58.293 P1.7@120.396,58.293 P1.7@120.269,58.42
SD_DAXLE: P1.9 U1.60 | length 38.3
  Top Layer w0.2: U1.60@87.472,68.753 88.854,68.753 91.694,65.913 v8(93.98,65.913)
  Bottom Layer w0.2: v8(93.98,65.913) 94.032,65.861 101.017,65.861 111.125,55.753 P1.9@120.396,55.753
SD_OFF: P1.5 U1.66 | length 37.2
  Top Layer w0.2: U1.66@87.472,71.153 90.899,71.153 v2(91.059,70.993)
  Bottom Layer w0.2: v2(91.059,70.993) 97.409,70.993 107.569,60.833 P1.5@120.396,60.833
SD_ON: P1.3 U1.67 | length 36.5
  Top Layer w0.2: U1.67@87.472,71.553 89.968,71.553 v2(90.17,71.755)
  Bottom Layer w0.2: v2(90.17,71.755) 97.409,71.755 105.791,63.373 P1.3@120.396,63.373
SWORKING: LED10.2 U1.3 | length 44.4
  Top Layer w0.2: U1.3@74.072,73.953 72.426,73.953 70.8,72.327 70.464,72.327 70.458,72.333 68.259,72.333 67.691,72.901 67.691,81.574 76.668,90.551 85.598,90.551 88.138,93.091 LED10.2@91.313,93.091
T_ERROR: P3.6 U1.83 | length 61.3
  Top Layer w0.2: U1.83@82.772,76.653 82.772,79.346 84.198,80.772 89.021,80.772 119.12,110.871 120.904,110.871 121.666,110.109 121.666,105.537 P3.6@122.936,104.267
TREADLE1: P3.1 U1.82 | length 52.3
  Top Layer w0.2: U1.82@83.172,76.653 83.172,79.237 84.347,80.412 89.302,80.412 95.631,86.741 97.79,86.741 P3.1@120.396,109.347
TREADLE2: P3.3 U1.81 | length 50.8
  Top Layer w0.2: U1.81@83.572,76.653 83.572,79.128 84.496,80.052 89.577,80.052 95.758,86.233 99.822,86.233 P3.3@120.396,106.807
TREADLE3: P3.5 U1.80 | length 49.2
  Top Layer w0.2: U1.80@83.972,76.653 83.972,79.019 84.645,79.692 89.852,79.692 95.885,85.725 101.854,85.725 P3.5@120.396,104.267
TREADLE4: P3.7 U1.77 | length 46.1
  Top Layer w0.2: U1.77@85.172,76.653 85.172,77.552 85.979,78.359 89.154,78.359 96.012,85.217 103.886,85.217 P3.7@120.396,101.727
TREADLE5: P3.9 U1.76 | length 44.2
  Top Layer w0.2: U1.76@85.572,76.653 88.083,76.653 96.139,84.709 105.918,84.709 P3.9@120.396,99.187
U1RX: SW12.2 U1.52 | length 57.9
  Top Layer w0.2: U1.52@87.472,65.553 89.514,65.553 91.186,63.881 106.426,63.881 110.744,68.199 139.573,68.199 141.097,69.723 SW12.2@142.297,69.723
U1TX: SW12.5 U1.58 | length 53.9
  Top Layer w0.2: U1.58@87.472,67.953 88.636,67.953 91.946,64.643 103.886,64.643 108.966,69.723 SW12.5@137.897,69.723
U2RX: U1.53 U7.10 U16.1 | length 111.5
  Top Layer w0.2: U1.53@87.472,65.953 89.623,65.953 91.314,64.262 106.298,64.262 110.743,68.707 138.938,68.707 141.097,70.866 143.764,70.866 144.78,69.85 144.78,67.31 145.542,66.548 147.231,66.548 U7.10@147.255,66.524 148.82,66.524 151.13,68.834 v1(151.13,70.231)
  Bottom Layer w0.2: v1(151.13,70.231) 148.463,70.231 143.256,65.024 143.256,59.436 147.066,55.626 158.75,55.626 161.755,52.621 U16.1@161.755,50.815
U2TX: U1.59 U7.9 U16.3 | length 105.5
  Top Layer w0.2: U1.59@87.472,68.353 88.745,68.353 92.074,65.024 103.118,65.024 109.341,71.247 v1(145.796,71.247) 146.05,71.247 147.255,70.042 U7.9@147.255,67.794
  Bottom Layer w0.2: v1(145.796,71.247) 141.986,67.437 141.986,58.801 146.177,54.61 158.115,54.61 160.655,52.07 160.655,49.784 160.924,49.515 U16.3@161.755,49.515
U3RX: R51.1 U1.72 U6.4 U15.1 | length 93.6
  Top Layer w0.2: U1.72@87.472,73.553 88.793,73.553 91.313,76.073 109.22,76.073 124.46,91.313 144.653,91.313 146.508,93.168 R51.1@146.508,94.93 v1(148.59,94.93)
  Top Layer w0.254: U6.4@142.858,98.325 144.499,98.325 146.508,96.316 R51.1@146.508,94.93
  Bottom Layer w0.2: U15.1@139.784,105.171 144.638,105.171 148.59,101.219 v1(148.59,94.93)
U3TX: C8.2 U1.71 U6.1 U15.3 | length 97.7
  Top Layer w0.2: U1.71@87.472,73.153 88.902,73.153 91.447,75.698 126.117,75.698 140.843,90.424 148.336,90.424 151.003,93.091 151.003,95.123 149.479,96.647 147.574,96.647 145.288,98.933 145.288,101.473 144.606,102.155 U6.1@142.858,102.155 ; v1(139.192,102.155) U6.1@142.858,102.155 ; C8.2@144.558,107.188 144.558,105.95 142.858,104.25 U6.1@142.858,102.155
  Bottom Layer w0.2: v1(139.192,102.155) 139.784,102.747 U15.3@139.784,103.871
U4RX: P24.3 U1.79 U17.3 | length 142.9
  Top Layer w0.2: U1.79@84.372,76.653 84.372,78.145 84.963,78.736 v2(84.963,78.994)
  Bottom Layer w0.2: v2(84.963,78.994) 84.963,80.391 131.612,127.04 P24.3@172.609,127.04 173.919,125.73 175.895,125.73 176.53,125.095 176.53,123.825 175.895,123.19 170.815,123.19 167.498,119.873 U17.3@152.23,119.873
U4TX: P24.5 U1.78 U17.1 | length 115.4
  Top Layer w0.2: U1.78@84.772,76.653 84.772,77.914 85.852,78.994 v2(86,78.994)
  Bottom Layer w0.2: v2(86,78.994) 86,79.142 131.358,124.5 157.734,124.5 ; U17.1@152.23,121.173 154.407,121.173 157.734,124.5 ; P24.5@172.609,124.5 157.734,124.5
VBUS_SENSE: R54.2 R55.1 U8.15 | length 14.2
  Bottom Layer w0.2: U8.15@142.788,84.995 142.788,83.907 143.002,83.693 145.542,83.693 149.559,87.71 R55.1@149.559,88.81 ; R55.1@149.545,88.824 R54.2@149.545,92.329
VDD: R52.1
WHITE: P29.9 P29.10 | length 2.5
  Top Layer w0.2: P29.9@35.25,7.914 P29.10@35.25,10.414
pads on no net: K2.1 K2.4 K2.5 K2.8 K3.1 K3.4 K3.5 K3.8 K4.1 K4.4 K4.5 K4.8 K5.1 K5.4 K5.5 K5.8 K6.1 K6.4 K6.5 K6.8 K7.1 K7.4 K7.5 K7.8 K8. K9. P8.6 P21. P21.1 P21.2 P21.4 P21.6 P21.8 P23.1 P23.2 P23.4 P23.6 P23.7 P23.8 P23.10 P24.1 P24.2 P24.4 P24.6 P24.7 P24.8 P24.10 P25. SW6. SW7. SW8. SW9. SW10. SW11. SW15. SW16. U1.7 U1.8 U1.9 U1.10 U1.11 U1.14 U1.20 U1.21 U1.51 U1.70 U1.84 U1.87 U2.3 U8.2 U8.6 U8.11 Y1.

## Polygon pours and split planes (outlines as drawn)
GND on Top Layer "Top Layer-No Net" (solid, pour order 2): 0,162.687 92.329,162.687 180.086,162.687 180.086,0 0,0
EARTH on Bottom Layer "Top Layer-No Net" (solid, pour order 6): 0,194.818 180.086,194.818 180.086,147.32 180.086,146.812 0,146.812
GND on Bottom Layer "Top Layer-No Net" (solid, pour order 4): 180.086,0 0,0 0,140.081 0.127,140.081 180.086,140.081

## Keep-outs
Keep-Out Layer:
  the board outline again, w0.254

## Other copper
Top Layer:
  pour cut-out: 13.462,154.051 20.193,154.051 20.193,151.13 20.193,140.843 16.891,140.843 13.462,140.843
  pour cut-out: 19.177,159.639 22.225,162.687 19.177,162.687
  pour cut-out: 14.605,159.639 11.557,162.687 14.605,162.687
  pour cut-out: 14.605,162.687 14.605,159.639 19.177,159.639 19.177,162.687

## Silkscreen, mask and mechanical layers (free items; w line width, h text height)
Top Overlay:
  drawing of 1954 lines, arcs and shapes, not listed
  text "AC IN" at 3.175,190.5 h1.52
  text "+" at 4.699,187.198 h1.52
  text "-" at 7.493,187.198 h1.52
  text "EARTH" at 26.416,182.245 h1.27 r270
  text "LINE" at 16.129,182.118 h1.27 r270
  text "N" at 21.336,182.118 h1.27 r270
  text "RED" at 44.45,180.34 h1.27
  text "N" at 50.673,180.34 h1.52
  text "GREEN" at 54.61,180.34 h1.27
  text "OPEN" at 88.9,180.34 h1.27
  text "N" at 96.266,180.34 h1.27
  text "CLOSED" at 100.33,180.34 h1.27
  text "LINE" at 132.08,180.34 h1.27
  text "N" at 139.065,180.34 h1.27
  text "LINE" at 148.336,180.34 h1.27
  text "N" at 155.321,180.34 h1.27
  text "MNL" at 72.39,133.35 h1.27
  text "MNL" at 120.015,133.35 h1.27
  text "GREEN" at 59.436,130.81 h1.27 r270
  text "OFF" at 61.849,130.81 h1.27 r270
  text "RED" at 64.516,130.81 h1.27 r270
  text "OPEN" at 128.905,130.81 h1.27 r270
  text "OFF" at 131.445,130.81 h1.27 r270
  text "CLOSED" at 133.985,130.81 h1.27 r270
  text "AUTO" at 72.39,123.825 h1.27
  text "AUTO" at 120.015,123.698 h1.27
  text "VCC" at 10.934,105.195 h1
  text "5V" at 18.034,103.886 h1 r90
  text "GND" at 10.922,98.171 h1
  text "VCC" at 18.034,98.171 h1 r90
  text "VCC" at 10.934,92.368 h1
  text "5V" at 18.034,91.059 h1 r90
  text "VCC" at 18.034,85.471 h1 r90
  text "GND" at 10.934,85.368 h1
  text "VCC" at 10.934,79.668 h1
  text "5V" at 18.034,78.359 h1 r90
  text "VCC" at 18.034,72.771 h1 r90
  text "GND" at 10.934,72.668 h1
  text "FTDI" at 132.08,71.755 h1
  text "VCC" at 10.934,66.968 h1
  text "RS232" at 130.81,66.802 h1
  text "5V" at 18.034,65.659 h1 r90
  text "VCC" at 18.034,60.071 h1 r90
  text "GND" at 10.934,59.968 h1
  text "SCL" at 99.695,59.69 h1
  text "SDA" at 99.695,57.023 h1
  text "GND" at 99.695,54.61 h1
  text "VCC" at 10.934,54.268 h1
  text "5V" at 18.034,52.832 h1 r90
  text "GND" at 94.234,49.149 h1
  text "D-" at 98.044,49.149 h1
  text "D+" at 100.838,49.149 h1
  text "5V" at 103.632,49.149 h1
  text "VCC" at 18.034,47.498 h1 r90
  text "GND" at 10.934,47.268 h1
  text "VCC" at 10.934,41.568 h1
  text "5V" at 18.034,40.259 h1 r90
  text "VCC" at 18.034,34.798 h1 r90
  text "GND" at 10.934,34.568 h1
  text "DAW500 LCB v1.0" at 111.633,32.639 h2.52
  text "+" at 99.314,13.97 h1.52
  text "-" at 102.87,13.97 h1.52
  text "+" at 111.76,13.97 h1.52
  text "-" at 115.346,13.97 h1.52
  text "+" at 124.079,13.97 h1.52
  text "-" at 127.538,13.97 h1.52
  text "+" at 136.28,13.97 h1.52
  text "-" at 139.857,13.97 h1.52
  text "+" at 148.59,13.97 h1.52
  text "-" at 152.176,13.97 h1.52
  text "+" at 160.909,13.97 h1.52
  text "-" at 164.368,13.97 h1.52
  text "EARTH" at 175.006,10.16 h1.52 r90

## Text inside footprints (layer, text, board x,y; h text height)
C1: Top Overlay "+" at 82.353,82.873 h0.8 r90; Top Overlay "-" at 82.226,84.905 h0.8 r180